# Altium PCB Archimajor.PcbDoc (part 3 of 12) (continued)
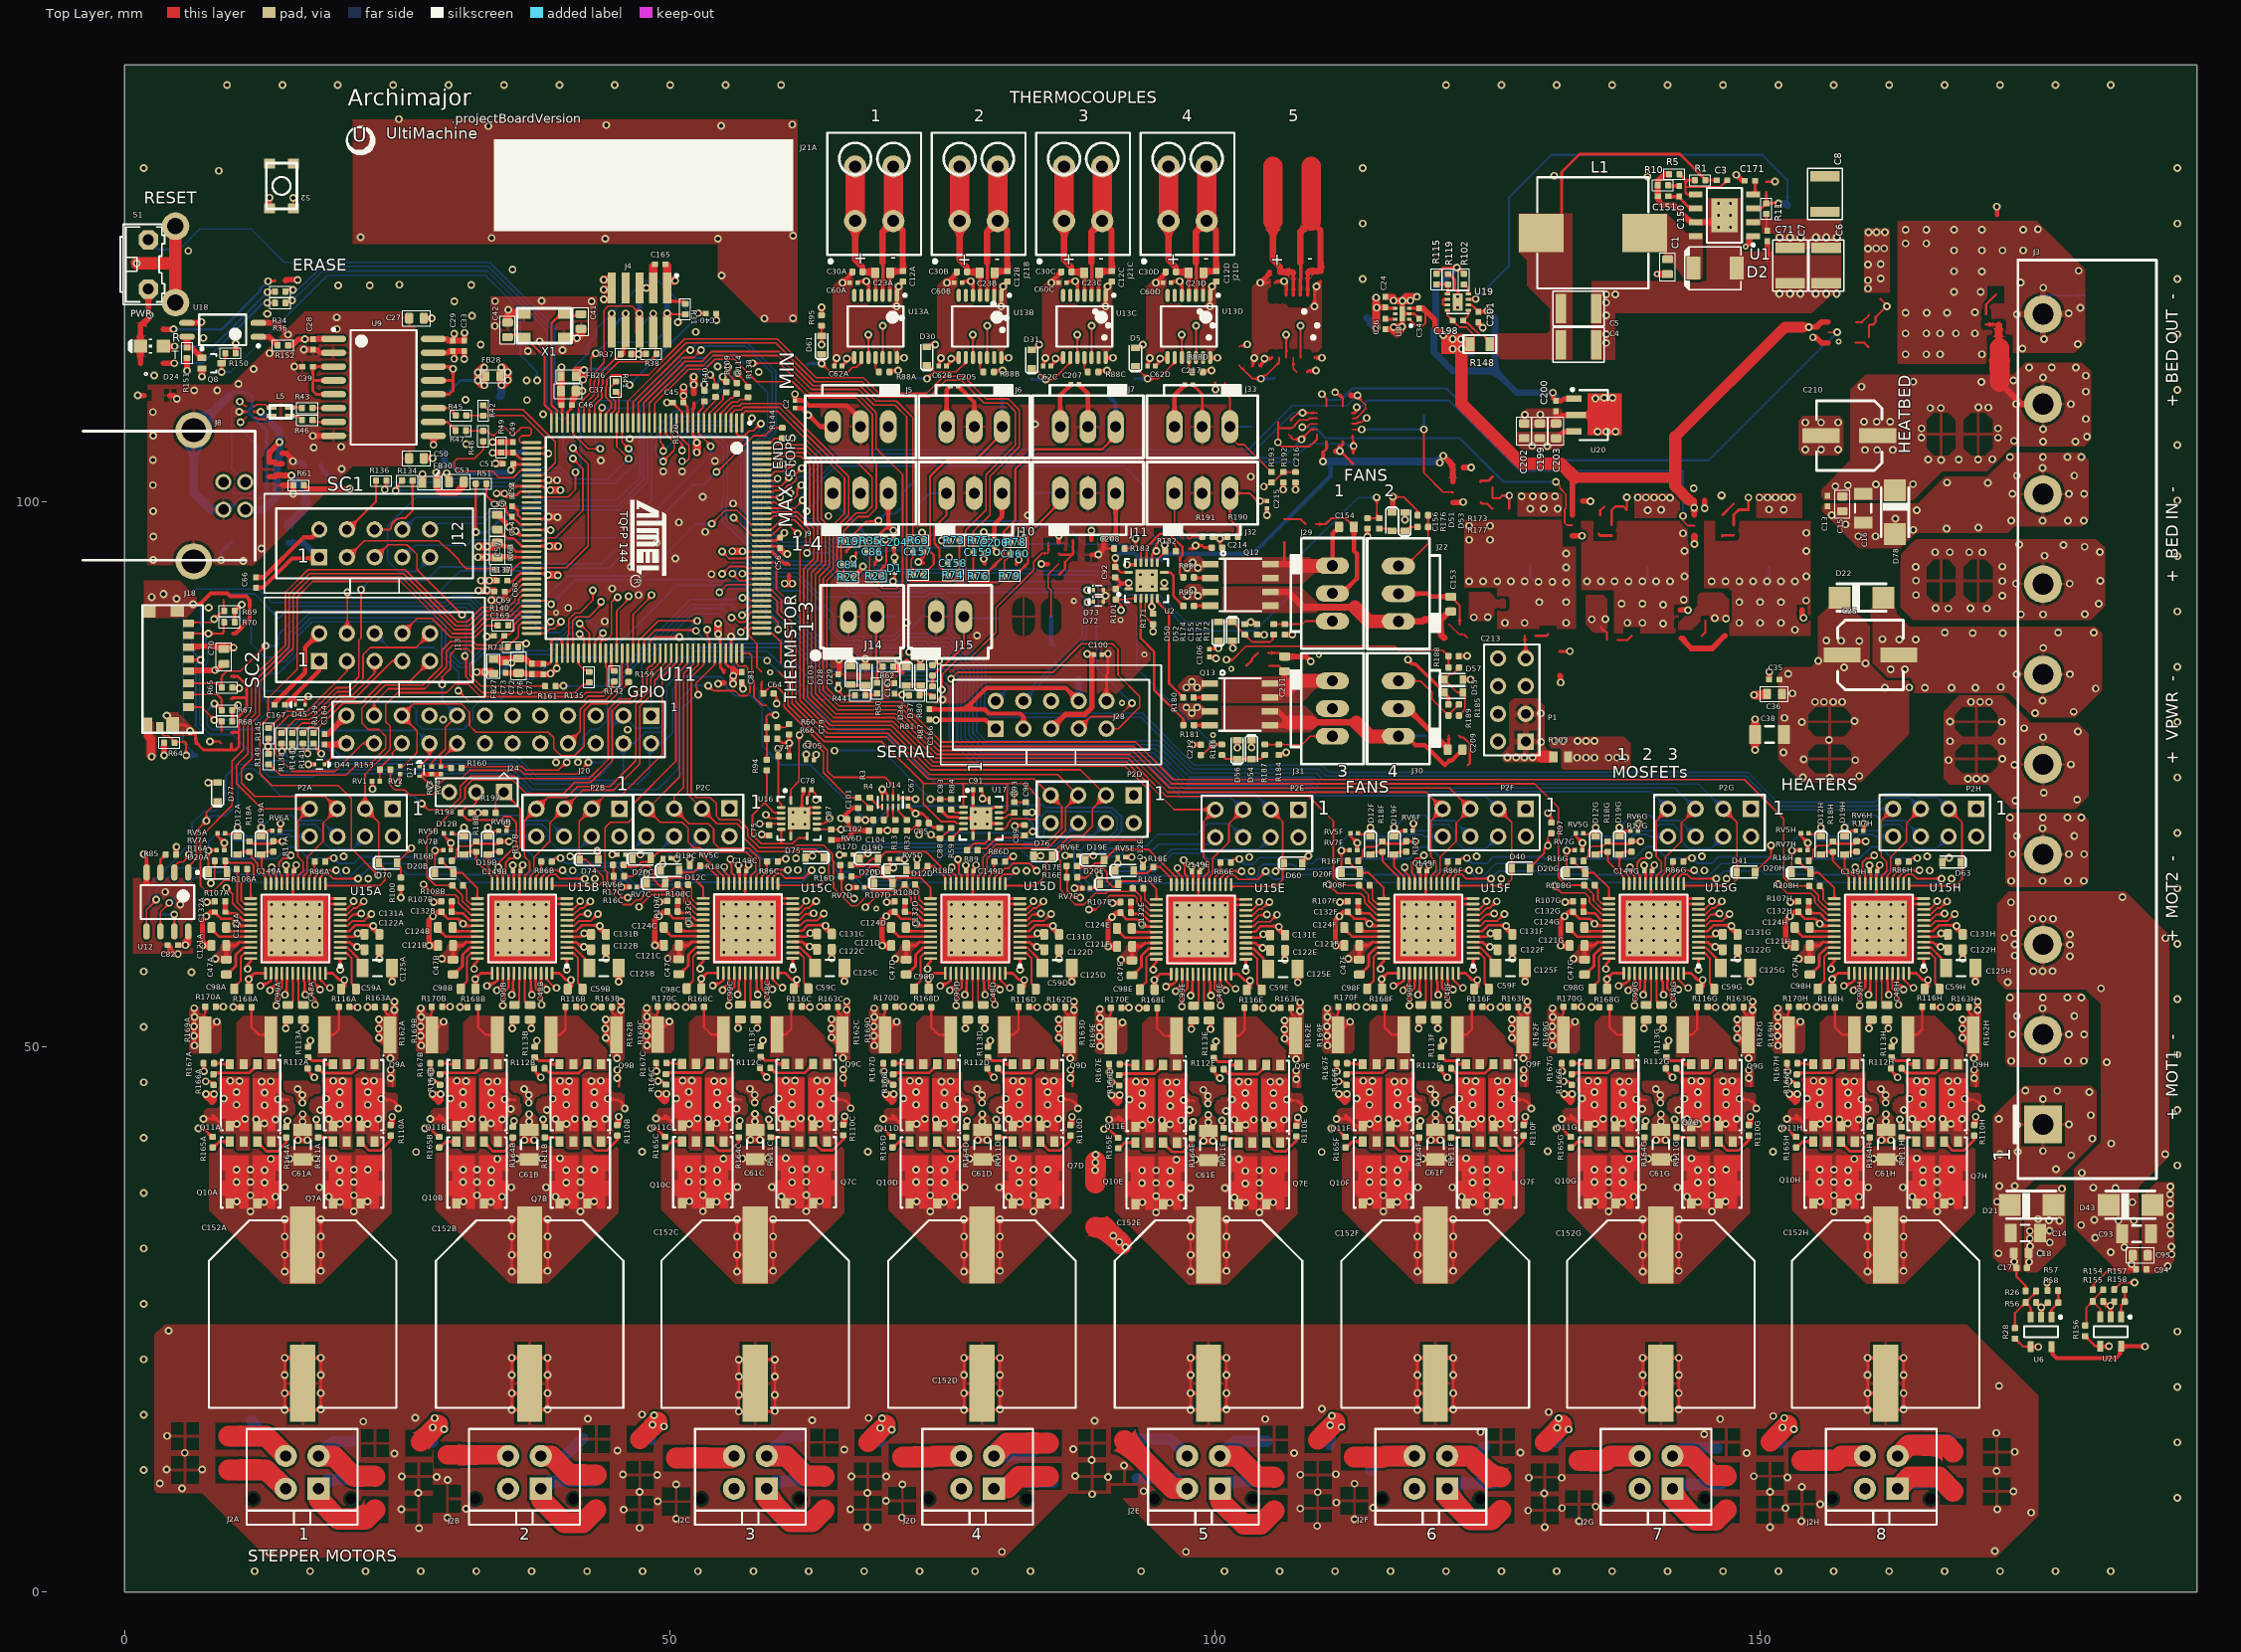
[diagram p0: Top Layer view]
## Nets (pads, with @x,y where several pads share a name; then routed paths per layer and width w, separated by ;. In a path a pad name is that pad's centre, name@x,y a point inside that pad or via, vN(x,y) a via of type N, cw(c..) or ccw(c..) an arc to the next point about the centre after c; other vN are vias at no path point) (continued)
  Top Layer w0.508: R151.2@5.732,113.14 5.737,113.135 v3(5.737,111.976) ; C34.1@118.707,117.705 118.809,117.705 119.078,117.705 120.17,116.613 120.17,115.946 121.225,114.891 v4(121.77,114.891) ; v1(120.918,104.178) 121.767,103.329 121.767,103.115 121.771,103.111 121.788,103.111 121.788,101.818 121.795,101.811 ; 132.75,98.744 132.75,101.95 132.975,102.175 ; 143.426,100.118 143.719,100.118 143.744,100.093 143.91,100.093 143.914,100.089 v1(143.914,99.403) 143.914,98.748 ; v1(154.421,115.977) 155.101,115.977 ; 155.104,115.973 155.574,116.443 156.188,116.443
  Top Layer w0.762: 153.897,115.977 v1(154.421,115.977)
  Top Layer w1: 133.089,102.175 142.167,102.175 ; 142.167,105.917 152.227,115.977
  Top Layer w1.016: 142.129,101.436 142.801,100.763 142.801,100.743 143.426,100.118 ; 152.227,115.977 153.897,115.977
  Top Layer w1.143: v3(122.595,113.991) 122.595,108.967 128.095,103.467 131.569,103.467 ; 131.683,103.467 132.975,102.175 ; 142.167,101.536 142.167,102.487 142.167,105.917
  Mid1 w0.178: 122.12,114.441 v3(122.545,114.866)
  Mid1 w0.203: v1(90.842,94.811) v1@90.842,94.909
  Mid1 w0.381: 10.203,113.651 v3(10.203,114.471)
  Mid1 w0.508: 10.09,113.574 10.096,113.58 10.106,113.59 ; 55.355,74.185 55.473,74.067 P2C.1@55.473,71.834
  Mid1 w0.61: 82.417,75.509 82.417,75.684 J28.3@82.417,79.156 ; J28.8@87.497,81.696 88.73,80.464 88.73,75.501 ; v3(122.595,113.991) 123.035,113.551
  Mid1 w0.66: P2A.1@24.605,71.81 25.975,73.18 25.975,75.87 ; P2B.1@45.38,71.81 45.38,74.14 45.425,74.185 ; P2E.1@107.638,71.734 107.638,73.286 108.937,74.584 ; 118.093,74.584 119.567,73.11 128.5,73.11 ; P2F.1@128.48,71.81 128.5,71.83 128.5,73.11 ; P2H.1@169.78,71.81 168.522,73.068 150.388,73.068 P2G.1@149.13,71.81 147.83,73.11 128.5,73.11
  Mid1 w0.762: v3(5.737,111.976) 5.737,112.017 7.3,113.58 10.096,113.58 10.931,113.58 14.358,117.007 14.358,120.572 15.096,121.31 26.25,121.31 29.175,118.385 29.175,105.645 29.25,105.57 29.25,105.01 30.75,103.51 30.75,94.46 29.217,92.927 19.787,92.927 19.71,92.927
  Mid1 w0.914: v3(121.77,113.991) 121.77,114.777 v4(121.77,114.891) 121.795,114.866 v3(122.545,114.866) 122.595,114.816 v3(122.595,113.991) v3(121.77,113.991)
  Mid1 w1.27: J13.1@17.856,85.357 16.18,87.034 16.18,89.32 19.787,92.927 ; J12.1@17.856,94.781 19.71,92.927
  Mid1 w1.524: v4@121.606,114.941 121.77,114.777 122.12,114.427
  Mid1 w1.626: v4@121.269,115.278 v4@121.483,115.064
  Mid1 w1.727: J13.1@17.856,85.357 11.6,79.101 11.6,76.935 14.075,74.46 18.375,74.46
  Mid1 w1.829: v4@121.483,115.064 v4@121.606,114.941
  Mid1 w2.032: 18.375,74.46 19.785,75.87 25.975,75.87 35.64,75.87 37.325,74.185 45.425,74.185 55.355,74.185 62.417,74.185 62.516,74.284 67.442,74.284 68.843,75.684 82.417,75.684 82.425,75.684
  Mid1 w3.048: 82.417,75.509 82.425,75.501 88.73,75.501 91.925,75.501 92.842,74.584 108.937,74.584 118.093,74.584 120.668,77.159 120.668,103.928 v1(120.918,104.178) 121.77,105.03 v3(121.77,113.991)
  Bottom Layer w0.406: v1(90.842,94.811) 91.301,95.269 92.565,95.269 93.136,94.699 95.257,94.699 95.743,95.184 103.443,95.184 110.568,102.309 110.568,103.659
  Bottom Layer w0.508: 15,96.181 16.456,96.181 J12.1@17.856,94.781 ; J28.8@87.497,81.696 TP4.TP@87.497,83.784 ; v3(122.595,113.991) 122.634,113.952 122.988,113.952 123.389,113.551 TP36.1@123.595,113.551
  Bottom Layer w0.762: v1(109.893,103.659) 110.568,103.659 120.399,103.659 v1(120.918,104.178)
  other v1: 120.602,103.543
  other v4: 120.928,115.253
_DRDYA: U13A.7
_DRDYB: U13B.7
_DRDYC: U13C.7
_DRDYD: U13D.7
_DRDYE: 
_FAULTA: U13A.13
_FAULTB: U13B.13
_FAULTC: U13C.13
_FAULTD: U13D.13
_FAULTE: 
CA1A: C99A.1 U15A.42 | length 3.1
  Top Layer w0.178: C99A.1@14.987,53.83 15.067,53.83 15.432,54.195 U15A.42@15.432,56.735
CA1B: C99B.1 U15B.42 | length 3.1
  Top Layer w0.178: C99B.1@35.762,53.83 35.842,53.83 36.207,54.195 U15B.42@36.207,56.735
CA1C: C99C.1 U15C.42 | length 3.1
  Top Layer w0.178: C99C.1@56.47,53.855 56.55,53.855 56.915,54.22 U15C.42@56.915,56.76
CA1D: C99D.1 U15D.42 | length 3.1
  Top Layer w0.178: C99D.1@77.312,53.83 77.392,53.83 77.757,54.195 U15D.42@77.757,56.735
CA1E: C99E.1 U15E.42 | length 3.1
  Top Layer w0.178: C99E.1@98.02,53.755 98.1,53.755 98.465,54.12 U15E.42@98.465,56.66
CA1F: C99F.1 U15F.42 | length 3.1
  Top Layer w0.178: C99F.1@118.862,53.83 118.942,53.83 119.307,54.195 U15F.42@119.307,56.735
CA1G: C99G.1 U15G.42 | length 3.1
  Top Layer w0.178: C99G.1@139.513,53.83 139.593,53.83 139.958,54.195 U15G.42@139.958,56.735
CA1H: C99H.1 U15H.42 | length 3.1
  Top Layer w0.178: C99H.1@160.163,53.83 160.243,53.83 160.608,54.195 U15H.42@160.608,56.735
CA2A: C98A.1 U15A.35 | length 4.3
  Top Layer w0.178: C98A.1@10.087,55.275 10.087,55.45 10.648,56.011 10.648,58.233 11,58.585 U15A.35@11.582,58.585
CA2B: C98B.1 U15B.35 | length 4.3
  Top Layer w0.178: C98B.1@30.862,55.275 30.862,55.45 31.423,56.011 31.423,58.233 31.775,58.585 U15B.35@32.357,58.585
CA2C: C98C.1 U15C.35 | length 4.3
  Top Layer w0.178: C98C.1@51.57,55.3 51.57,55.475 52.131,56.035 52.131,58.258 52.482,58.61 U15C.35@53.065,58.61
CA2D: C98D.1 U15D.35 | length 4.3
  Top Layer w0.178: C98D.1@72.412,55.275 72.412,55.45 72.973,56.011 72.973,58.233 73.325,58.585 U15D.35@73.907,58.585
CA2E: C98E.1 U15E.35 | length 4.3
  Top Layer w0.178: C98E.1@93.12,55.2 93.12,55.375 93.68,55.935 93.68,58.158 94.032,58.51 U15E.35@94.615,58.51
CA2F: C98F.1 U15F.35 | length 4.3
  Top Layer w0.178: C98F.1@113.962,55.275 113.962,55.45 114.523,56.011 114.523,58.233 114.875,58.585 U15F.35@115.457,58.585
CA2G: C98G.1 U15G.35 | length 4.3
  Top Layer w0.178: C98G.1@134.613,55.275 134.613,55.45 135.173,56.011 135.173,58.233 135.525,58.585 U15G.35@136.108,58.585
CA2H: C98H.1 U15H.35 | length 4.3
  Top Layer w0.178: C98H.1@155.263,55.275 155.263,55.45 155.823,56.011 155.823,58.233 156.175,58.585 U15H.35@156.758,58.585
CB1A: C59A.1 U15A.2 | length 4.2
  Top Layer w0.178: U15A.2@19.782,58.585 20.376,58.585 20.815,58.146 20.815,55.83 21.229,55.417 C59A.1@21.229,55.284
CB1B: C59B.1 U15B.2 | length 4.2
  Top Layer w0.178: U15B.2@40.557,58.585 41.151,58.585 41.59,58.146 41.59,55.83 42.004,55.417 C59B.1@42.004,55.284
CB1C: C59C.1 U15C.2 | length 4.2
  Top Layer w0.178: U15C.2@61.265,58.61 61.859,58.61 62.298,58.17 62.298,55.854 62.711,55.441 C59C.1@62.711,55.308
CB1D: C59D.1 U15D.2 | length 4.2
  Top Layer w0.178: U15D.2@82.107,58.585 82.701,58.585 83.14,58.146 83.14,55.83 83.554,55.417 C59D.1@83.554,55.284
CB1E: C59E.1 U15E.2 | length 4.2
  Top Layer w0.178: U15E.2@102.815,58.51 103.409,58.51 103.848,58.07 103.848,55.754 104.261,55.341 C59E.1@104.261,55.208
CB1F: C59F.1 U15F.2 | length 4.2
  Top Layer w0.178: U15F.2@123.657,58.585 124.251,58.585 124.69,58.146 124.69,55.83 125.104,55.417 C59F.1@125.104,55.284
CB1G: C59G.1 U15G.2 | length 4.2
  Top Layer w0.178: U15G.2@144.308,58.585 144.901,58.585 145.34,58.146 145.34,55.83 145.754,55.417 C59G.1@145.754,55.284
CB1H: C59H.1 U15H.2 | length 4.2
  Top Layer w0.178: U15H.2@164.958,58.585 165.551,58.585 165.991,58.146 165.991,55.83 166.404,55.417 C59H.1@166.404,55.284
CB2A: C48A.1 U15A.43 | length 3.2
  Top Layer w0.178: U15A.43@15.932,56.735 15.932,54.155 16.282,53.805 C48A.1@16.412,53.805
CB2B: C48B.1 U15B.43 | length 3.2
  Top Layer w0.178: U15B.43@36.707,56.735 36.707,54.155 37.057,53.805 C48B.1@37.187,53.805
CB2C: C48C.1 U15C.43 | length 3.2
  Top Layer w0.178: U15C.43@57.415,56.76 57.415,54.18 57.765,53.83 C48C.1@57.895,53.83
CB2D: C48D.1 U15D.43 | length 3.2
  Top Layer w0.178: U15D.43@78.257,56.735 78.257,54.155 78.607,53.805 C48D.1@78.737,53.805
CB2E: C48E.1 U15E.43 | length 3.2
  Top Layer w0.178: U15E.43@98.965,56.66 98.965,54.08 99.315,53.73 C48E.1@99.445,53.73
CB2F: C48F.1 U15F.43 | length 3.2
  Top Layer w0.178: U15F.43@119.807,56.735 119.807,54.155 120.157,53.805 C48F.1@120.287,53.805
CB2G: C48G.1 U15G.43 | length 3.2
  Top Layer w0.178: U15G.43@140.458,56.735 140.458,54.155 140.808,53.805 C48G.1@140.938,53.805
CB2H: C48H.1 U15H.43 | length 3.2
  Top Layer w0.178: U15H.43@161.108,56.735 161.108,54.155 161.458,53.805 C48H.1@161.588,53.805
CS_M1BUS: D70.A D74.A D75.A D76.A D77.A R100.2 U16.4 | length 101.3
  Top Layer w0.165: R100.2@25.343,65.517 25.343,66.439 25.193,66.589 25.171,66.589 25,66.761 D70.A@25,66.861 25,66.961 25.217,67.178 25.317,67.178 v1@26.348,68.209 ; v1(58.816,71.259) 58.868,71.259 59.193,70.934 U16.4@60.212,70.934 ; D76.A@83.293,67.409 83.394,67.51 v1(84,67.51)
  Top Layer w0.257: v1(7.668,74.209) D77.A@8.543,74.209 ; v1(26.293,68.209) v1@26.348,68.209 ; v1(43.365,67.959) 43.446,67.879 D74.A@43.446,67.154 ; D75.A@62.442,67.334 62.593,67.484 v1(63.066,67.484)
  Mid1 w0.257: v1(7.668,74.209) 10.618,71.259 15.143,71.259 15.793,70.609 25.393,70.609 26.293,69.709 v1(26.293,68.209) 27.468,69.384 34.543,69.384 34.768,69.609 35.818,69.609 36.668,70.459 44.043,70.459 ; v1(43.365,67.959) 43.365,68.082 44.043,68.759 44.043,70.459 ; v1(63.066,67.484) 62.575,67.975 58.679,67.975 56.918,69.736 56.918,70.459 ; v1@83.993,67.459 83.942,67.51 82.377,67.51 81.683,68.204 78.914,68.204 78.799,68.319 69.755,68.319 69.04,69.034 61.093,69.034 58.868,71.259 v1(58.816,71.259) 57.768,71.259 57.743,71.284 56.918,70.459 ; 44.043,70.459 56.918,70.459
CS_M2BUS: D40.A D41.A D60.A D63.A R97.2 U16.10 | length 127.4
  Top Layer w0.165: U16.10@63.474,70.434 64.143,70.434 v1(64.643,70.934)
  Top Layer w0.166: D40.A@128.883,66.355 128.883,66.455 129.054,66.627 129.061,66.627 130.168,67.734 130.168,68.084 v1(130.518,68.434) 130.518,69.277 130.596,69.355 130.596,69.365 130.808,69.577 R97.2@130.818,69.577 ; D41.A@149.506,66.005 149.506,66.105 149.723,66.321 149.823,66.321 150.968,67.466 v1(150.968,68.459)
  Top Layer w0.257: D60.A@107.99,66.828 108.162,67 108.162,67.103 v1(108.568,67.509) ; D63.A@166.668,66.91 166.668,67.01 166.84,67.182 166.94,67.182 166.994,67.236 167.199,67.236 v1(167.286,67.323)
  Mid1 w0.257: v1(64.643,70.934) 65.756,72.048 74.23,72.048 76.656,69.622 79.339,69.622 79.387,69.574 81.913,69.574 82.949,70.609 83.318,70.609 84.443,71.734 97.543,71.734 98.818,70.459 109.168,70.459 ; v1(108.568,67.509) 109.168,68.109 109.168,70.459 ; v1(130.518,68.434) 130.518,70.534 130.493,70.559 ; v1(150.968,68.459) 150.968,70.534 150.943,70.559 ; v1(167.286,67.323) 165.939,68.67 165.939,70.057 165.437,70.559 161.043,70.559 160.268,71.334 154.418,71.334 153.643,70.559 150.943,70.559 ; 109.168,70.459 113.018,70.459 113.793,71.234 119.243,71.234 119.918,70.559 130.493,70.559 ; 130.493,70.559 132.443,70.559 133.268,71.384 139.443,71.384 140.268,70.559 150.943,70.559
CS_TCBUS: D5.A D30.A D31.A D61.A R95.2 U16.1 | length 135.5
  Top Layer w0.165: U16.1@61.093,72.565 61.093,73.584 61.85,74.341 61.85,78.541 v1(61.893,78.584)
  Top Layer w0.166: v1(63.915,114.384) D61.A@63.915,115.184 R95.2@63.915,116.102 ; D30.A@73.565,114.185 73.765,114.385 v1(74.34,114.385) ; D31.A@83.19,113.884 83.365,113.884 v1(83.865,114.384) ; D5.A@92.69,114.084 93.068,114.084 v1(93.368,114.384) ; 102.215,114.159 102.313,114.258 102.798,114.258 v1(102.937,114.396)
  Mid1 w0.166: v1(74.34,114.385) v1@74.39,114.435
  Mid1 w0.257: v1(61.893,78.584) 61.893,78.784 63.668,80.559 71.218,80.559 75.071,84.412 77.996,84.412 78.868,85.284 96.193,85.284 116.386,105.477 116.386,108.725 110.726,114.384 102.937,114.384 93.54,114.384 v1(93.368,114.384) v1(83.865,114.384) 74.365,114.384 v1@63.765,114.384
DIAG1: R108A.2 U11.63 U15A.27 | length 65.7
  Top Layer w0.152: R108A.2@10.29,66.276 10.347,66.219 10.347,65.201 ; U15A.27@11.582,62.585 10.964,62.585 10.703,62.846 10.703,62.879 10.347,63.235 10.347,65.201 ; U11.63@37.329,92.388 36.476,92.388 35.438,91.35 35.438,91.039 34.687,90.287 32.743,90.287 31.42,88.964 30.51,88.964 25.735,93.739 16.825,93.739 14.757,91.672 14.757,86.82 11.648,83.711 11.648,80.72 10.912,79.984 10.912,77.222 9.875,76.185 9.875,72.135 6.96,69.22 6.96,64.764 7.423,64.301 8.2,64.301 9.134,65.235 10.313,65.235 10.347,65.201
DIAG2: R108B.2 U11.93 U15B.27 | length 43.7
  Top Layer w0.152: U15B.27@32.357,62.585 31.739,62.585 30.979,63.346 30.979,63.863 30.294,64.547 30.288,64.547 30.065,64.77 R108B.2@30.065,64.776 28.523,64.776 27.735,65.564 27.735,69.264 31.221,72.75 31.221,73.781 31.9,74.46 35.6,74.46 36.825,73.235 40.275,73.235 41.272,74.232 42.747,74.232 44.716,76.201 44.716,80.78 45.471,81.535 46.494,81.535 47.881,82.922 47.881,83.863 48.273,84.256 48.273,84.52 48.306,84.553 48.444,84.553 49.033,85.142 49.033,85.19 49.129,85.286 U11.93@49.129,86.088
DIAG3: R108C.2 U11.97 U15C.27 | length 37
  Top Layer w0.152: R108C.2@50.715,64.851 R108C.2@50.715,64.845 ; U11.97@51.129,86.088 51.129,85.286 51.033,85.19 51.033,85.13 50.55,84.647 50.55,76.171 46.562,72.183 46.562,70.958 46.194,70.59 44.561,70.59 44.055,70.084 44.055,66.196 44.26,65.991 44.26,64.495 45.729,63.026 46.475,63.026 46.91,63.461 47.305,63.461 48.144,64.3 50.164,64.3 50.487,64.622 50.493,64.622 R108C.2@50.715,64.845 ; U15C.27@53.065,62.61 52.447,62.61 51.64,63.416 51.64,63.926 50.944,64.622 50.938,64.622 R108C.2@50.715,64.845
DIAG4: R108D.2 U11.101 U15D.27 | length 44.5
  Top Layer w0.152: U11.101@53.129,86.088 53.11,86.069 53.11,85.04 51.972,83.902 51.972,73.33 52.438,72.864 53.688,72.864 54.268,72.284 54.268,71.144 54.607,70.805 56.325,70.805 57.143,69.987 57.143,69.32 58.213,68.25 61.413,68.25 61.638,68.475 64.104,68.475 64.898,67.681 64.898,67.676 64.9,67.674 64.9,67.07 65.004,66.966 65.004,64.569 66.648,62.926 67.152,62.926 68.481,64.254 68.747,64.254 68.768,64.275 70.915,64.275 71.287,64.647 71.293,64.647 R108D.2@71.515,64.87 ; R108D.2@71.515,64.876 R108D.2@71.515,64.87 ; U15D.27@73.907,62.585 73.289,62.585 72.482,63.392 72.482,63.909 71.744,64.647 71.738,64.647 R108D.2@71.515,64.87
DIAG5: R108E.2 U11.131 U15E.27 | length 84.2
  Top Layer w0.152: U11.131@58.429,98.888 59.276,98.888 59.398,99.009 61.718,99.009 63.201,97.526 63.201,94.745 62.275,93.82 62.275,81.908 64.727,79.457 70.314,79.457 74.033,75.738 91.74,75.738 94.018,73.46 94.018,69.734 93.243,68.959 86.805,68.959 85.628,67.782 85.628,67.256 85.814,67.07 85.814,64.392 87.179,63.026 87.96,63.026 88.994,64.06 89.969,64.06 90.135,64.226 92.147,64.226 R108E.2@92.44,64.52 ; R108E.2@92.44,64.526 R108E.2@92.44,64.52 ; U15E.27@94.615,62.51 93.997,62.51 93.19,63.316 93.19,63.776 92.669,64.297 92.663,64.297 R108E.2@92.44,64.52
DIAG6: R108F.2 U11.142 U15F.27 | length 91.7
  Top Layer w0.152: U11.142@58.429,104.388 58.448,104.406 59.386,104.406 59.818,104.838 62.317,104.838 63.551,103.605 63.551,98.25 63.912,97.889 63.912,94.4 62.987,93.474 62.987,82.217 62.995,82.217 65.044,80.168 70.608,80.168 74.328,76.449 92.034,76.449 95.524,72.959 108.568,72.959 110.835,70.693 110.835,65.489 111.529,64.795 R108F.2@113.19,64.795 ; R108F.2@113.19,64.801 R108F.2@113.19,64.795 ; U15F.27@115.457,62.585 114.839,62.585 114.048,63.376 114.048,63.943 113.419,64.572 113.413,64.572 R108F.2@113.19,64.795
DIAG7: R108G.2 U11.3 U15G.27 | length 119.5
  Top Layer w0.152: U11.3@55.629,107.188 55.629,108.034 55.979,108.385 56.518,108.385 56.744,108.611 56.784,108.611 56.797,108.624 60.04,108.624 62.486,106.178 62.493,106.178 66.396,102.275 66.396,98.769 64.979,97.352 64.979,93.85 64.053,92.925 64.053,82.701 65.519,81.235 71.05,81.235 74.75,77.535 92.544,77.535 95.969,74.109 129.293,74.109 131.485,71.917 131.485,65.501 132.185,64.801 R108G.2@133.84,64.801 133.84,64.795 134.063,64.572 134.069,64.572 134.683,63.959 134.683,63.392 135.489,62.585 U15G.27@136.108,62.585
DIAG8: R108H.2 U11.4 U15H.27 | length 143.2
  Top Layer w0.152: U11.4@55.129,107.188 55.129,108.037 55.832,108.74 56.365,108.74 56.591,108.966 56.636,108.966 56.65,108.979 60.194,108.979 65.535,103.638 67.139,103.638 68.555,102.223 68.555,99.531 67.97,98.946 67.076,98.946 65.335,97.205 65.335,93.667 64.409,92.741 64.409,82.895 65.694,81.61 71.2,81.61 74.875,77.935 92.709,77.935 96.135,74.509 148.518,74.509 152.135,70.892 152.135,65.526 152.929,64.732 154.465,64.732 R108H.2@154.465,64.726 154.465,64.72 154.688,64.497 154.694,64.497 155.333,63.859 155.333,63.392 156.139,62.585 U15H.27@156.758,62.585
DIR1: P2A.7 U11.64 U15A.18 | length 61.3
  Top Layer w0.152: U15A.18@15.932,64.935 15.932,65.645 16.381,66.094 16.381,66.954 15.9,67.435 15.9,70.725 P2A.7@16.985,71.81 12.594,71.81 10.275,74.129 10.275,75.835 11.312,76.872 11.312,79.855 12.004,80.546 12.004,83.564 15.113,86.673 15.113,91.524 16.972,93.384 25.588,93.384 30.376,88.595 31.584,88.595 32.921,89.932 34.839,89.932 35.794,90.887 35.794,91.202 36.479,91.888 U11.64@37.329,91.888
DIR2: P2B.7 U11.94 U15B.18 | length 29.6
  Top Layer w0.152: U15B.18@36.707,64.935 36.707,65.645 37.156,66.094 37.156,66.954 36.675,67.435 36.675,70.725 P2B.7@37.76,71.81 38.81,72.86 40.55,72.86 41.556,73.866 44.506,73.866 46.881,76.241 46.881,81.383 48.25,82.752 48.25,83.729 48.629,84.108 48.629,84.235 49.533,85.139 49.533,85.19 49.629,85.286 U11.94@49.629,86.088
DIR3: P2C.7 U11.98 U15C.18 | length 30.9
  Top Layer w0.152: U11.98@51.629,86.088 51.629,85.139 50.906,84.416 50.906,74.731 48.009,71.834 P2C.7@47.853,71.834 49.118,70.569 51.138,70.569 51.663,70.044 51.663,68.769 52.167,68.265 52.79,68.265 53.211,67.844 56.998,67.844 57.863,66.979 57.863,66.118 57.415,65.67 U15C.18@57.415,64.96
DIR4: P2D.7 U11.116 U15D.18 | length 53.2
  Top Layer w0.152: U11.116@58.429,91.388 59.231,91.388 59.327,91.292 59.407,91.292 59.866,90.833 59.866,89.722 60.795,88.792 60.795,87.081 61.209,86.668 61.209,81.466 64.285,78.39 69.872,78.39 73.712,74.55 83.412,74.55 P2D.7@84.913,73.049 85.942,72.02 85.942,70.034 84.458,68.55 79.896,68.55 78.706,67.359 78.706,66.094 78.257,65.645 U15D.18@78.257,64.935
DIR5: P2E.7 U11.141 U15E.18 | length 76.7
  Top Layer w0.152: U11.141@58.429,103.888 58.448,103.906 59.389,103.906 59.965,104.483 62.17,104.483 63.195,103.458 63.195,98.103 63.557,97.741 63.557,94.598 62.631,93.673 62.631,82.056 64.874,79.813 70.461,79.813 74.18,76.093 91.887,76.093 96.246,71.734 P2E.7@100.018,71.734 98.933,70.649 98.933,67.359 99.413,66.879 99.413,66.018 98.965,65.57 U15E.18@98.965,64.86
DIR6: P2F.7 U11.143 U15F.18 | length 97.7
  Top Layer w0.152: U11.143@58.429,104.888 58.448,104.906 59.383,104.906 59.671,105.194 62.465,105.194 63.906,103.752 63.906,98.398 64.268,98.036 64.268,94.217 63.342,93.291 63.342,82.373 65.191,80.524 70.755,80.524 74.475,76.804 92.182,76.804 95.652,73.334 119.336,73.334 P2F.7@120.86,71.81 119.775,70.725 119.775,67.435 120.256,66.954 120.256,66.094 119.807,65.645 U15F.18@119.807,64.935
DIR7: P2G.7 U11.121 U15G.18 | length 112.8
  Top Layer w0.152: v1(54.79,93.341) 55.48,94.031 56.887,94.031 57.031,93.888 U11.121@58.429,93.888 ; U15G.18@140.458,64.935 140.458,65.645 140.906,66.094 140.906,66.954 140.425,67.435 140.425,70.725 P2G.7@141.51,71.81
  Bottom Layer w0.152: v1(54.79,93.341) v1(54.79,93.341) 55.834,94.384 57.146,94.384 57.654,93.876 57.654,93.87 59.123,92.401 59.123,91.603 64.226,86.5 67.122,86.5 67.427,86.196 71.072,86.196 71.69,86.814 73.286,86.814 73.725,86.375 75.078,86.375 77.15,84.303 77.15,83.171 77.07,83.091 77.07,78.358 78.473,76.954 94.357,76.954 97.332,73.979 108.801,73.979 109.404,73.376 139.944,73.376 P2G.7@141.51,71.81
DIR8: P2H.7 U11.14 U15H.18 | length 146.9
  Top Layer w0.152: U11.14@50.129,107.188 50.129,106.215 51.127,105.218 v1(51.127,104.674) ; U15H.18@161.108,64.935 161.108,65.645 161.556,66.094 161.556,66.954 161.075,67.435 161.075,70.725 P2H.7@162.16,71.81
  Bottom Layer w0.152: v1(51.127,104.674) 51.127,105.776 51.941,106.59 53.84,106.59 55.273,105.157 55.273,100.188 55.158,100.072 55.158,98.296 55.58,97.874 55.661,97.874 57.973,95.562 57.973,95.065 58.721,94.318 58.721,94.312 59.926,93.107 61.546,93.107 65,89.652 65,88.429 65.811,87.618 67.675,87.618 68.031,87.262 70.63,87.262 71.249,87.881 73.728,87.881 74.167,87.442 75.571,87.442 78.217,84.797 78.217,82.729 78.136,82.649 78.136,78.891 78.968,78.059 94.815,78.059 97.79,75.084 109.259,75.084 109.901,74.443 148.51,74.443 151.243,71.709 160.868,71.709 160.968,71.81 P2H.7@162.16,71.81
DM: J8.2 L5.3 TP5.1 | length 10.9
  Top Layer w0.152: v1@10.547,109.133 10.631,109.133 11.052,108.713 11.169,108.713 ; 11.843,108.713 11.965,108.713 12.138,108.886 12.915,108.886 13.189,108.613 L5.3@13.476,108.613
  Bottom Layer w0.152: v1@10.535,109.184 9.804,108.453 9.804,103.041 J8.2@11.074,101.771 J8.2@11.08,101.771
  other v1: 10.566,109.152
DRV_EN: U11.67 U15A.28 U15B.28 U15C.28 U15D.28 U15E.28 U15F.28 U15G.28 U15H.28 | length 265.5
  Top Layer w0.152: v1(9.348,64.551) 9.898,64.001 9.898,63.148 10.961,62.085 U15A.28@11.582,62.085 ; v1(23.268,65.709) 20.793,68.184 20.793,72.759 19.593,73.959 13.518,73.959 12.418,75.059 12.418,79.411 13.172,80.165 13.172,81.945 15.824,84.597 15.824,91.23 17.267,92.673 25.293,92.673 30.082,87.884 31.972,87.884 33.308,89.221 35.171,89.221 36.338,90.388 U11.67@37.329,90.388 ; v1(27.423,64.876) 28.379,63.92 30.348,63.92 30.623,63.644 30.623,63.198 31.736,62.085 U15B.28@32.357,62.085 ; v1(47.173,62.826) 48.291,63.944 51.056,63.944 51.285,63.715 51.285,63.269 52.444,62.11 U15C.28@53.065,62.11 ; v1(67.923,62.776) 69.067,63.92 71.898,63.92 72.127,63.691 72.127,63.245 73.286,62.085 U15D.28@73.907,62.085 ; v1(88.423,62.576) 89.048,62.576 90.316,63.844 92.619,63.844 92.835,63.629 92.835,63.169 93.994,62.01 U15E.28@94.615,62.01 ; v1(110.398,64.876) 111.223,64.051 113.316,64.051 113.677,63.691 113.677,63.245 114.836,62.085 U15F.28@115.457,62.085 ; v1(131.098,64.751) 131.748,64.101 133.917,64.101 134.327,63.691 134.327,63.245 135.486,62.085 U15G.28@136.108,62.085 ; v1(151.623,64.901) 152.473,64.051 154.617,64.051 154.977,63.691 154.977,63.245 156.136,62.085 U15H.28@156.758,62.085
  Mid1 w0.152: v1(9.348,64.551) 10.107,65.31 18.225,65.31 18.437,65.098 20.875,65.098 21.172,64.8 22.743,64.8 23.199,65.257 23.199,65.641 v1(23.268,65.709) 25.848,65.709 26.681,64.876 v1(27.423,64.876) 27.857,65.31 39,65.31 39.212,65.098 41.65,65.098 41.947,64.8 44.862,64.8 45.305,65.244 45.873,65.244 47.173,63.944 ; v1(47.173,62.826) 47.173,63.944 ; 62.722,64.8 65.74,64.8 65.79,64.85 65.79,64.863 66.147,65.22 66.715,65.22 67.923,64.012 ; 64,64.825 52.058,64.825 51.782,64.548 47.777,64.548 47.173,63.944 ; v1(67.923,62.776) 67.923,64.012 ; v1(88.423,62.576) 88.423,64.448 ; v1(151.623,64.901) 149.855,64.901 149.755,64.8 145.698,64.8 145.4,65.098 142.962,65.098 142.75,65.31 131.657,65.31 v1(131.098,64.751) 129.154,64.751 129.104,64.8 125.047,64.8 124.75,65.098 122.312,65.098 122.1,65.31 110.832,65.31 v1(110.398,64.876) 109.773,64.876 109.622,64.725 93.667,64.725 93.391,64.448 88.423,64.448 ; 67.923,64.012 68.488,64.577 72.677,64.577 72.9,64.8 86.512,64.8 86.855,65.144 87.423,65.144 88.119,64.448 88.423,64.448
ENCAA: D12A.K P2A.4 RV5A.1 | length 16.4
  Top Layer w0.152: RV5A.1@9.225,69.56 9.3,69.485 10.178,69.485 D12A.K@10.362,69.3 v1(10.362,70.085)
  Bottom Layer w0.152: v1(10.362,70.085) 11.187,69.26 13.175,69.26 13.728,69.813 15.628,69.813 16.194,70.379 17.481,70.379 18.175,69.685 18.175,68.86 18.9,68.135 20.93,68.135 P2A.4@22.065,69.27
ENCAB: D12B.K P2B.4 RV5B.1 | length 16.4
  Top Layer w0.152: RV5B.1@30,69.56 30.075,69.485 30.953,69.485 D12B.K@31.137,69.3 v1(31.137,70.085)
  Bottom Layer w0.152: v1(31.137,70.085) 31.962,69.26 33.95,69.26 34.503,69.813 36.403,69.813 36.969,70.379 38.256,70.379 38.95,69.685 38.95,68.86 39.675,68.135 41.705,68.135 P2B.4@42.84,69.27
ENCAC: D12C.K P2C.4 RV5C.1 | length 6.4
  Top Layer w0.152: D12C.K@49.133,66.059 49.133,66.159 49.358,66.384 49.336,66.406 49.423,66.493 49.35,66.566 49.35,66.723 49.35,66.953 49.423,67.026 49.336,67.113 RV5C.1@49.358,67.134
  Bottom Layer w0.152: v1@49.35,66.723 49.374,66.723 49.423,66.674 49.394,66.645 49.394,67.101 50.238,67.944 51.583,67.944 P2C.4@52.933,69.294
  other v1: 49.35,66.773
ENCAD: D12D.K P2D.4 RV5D.1 | length 24.1
  Top Layer w0.152: RV5D.1@70.2,67.11 70.2,66.703 70.198,66.701 v1@70.389,66.51 ; v1(70.501,66.397) v1@70.501,66.481
  Top Layer w0.559: D12D.K@69.973,66.201 69.973,66.301 69.994,66.322 70.094,66.322 70.14,66.368 70.472,66.368 v1(70.501,66.397)
  Bottom Layer w0.152: v1(70.501,66.397) 70.501,67.048 70.502,67.047 71.375,67.92 75.022,67.92 75.292,68.19 82.1,68.19 83.415,66.875 84.484,66.875 87.043,69.434 88.918,69.434 P2D.4@89.993,70.509
ENCAE: D12E.K P2E.4 RV5E.1 | length 16.6
  Top Layer w0.152: D12E.K@90.823,66.151 90.823,66.251 91.048,66.476 91.026,66.498 91.077,66.548 v1(91.077,66.823) 91.077,67.35 RV5E.1@91.051,67.376
  Bottom Layer w0.152: v1(91.077,66.823) 91.415,66.484 94.37,66.484 96,68.114 104.017,68.114 P2E.4@105.098,69.194
ENCAF: D12F.K P2F.4 RV5F.1 | length 16.4
  Top Layer w0.152: RV5F.1@113.1,69.56 113.175,69.485 114.053,69.485 D12F.K@114.237,69.3 v1(114.237,70.085)
  Bottom Layer w0.152: v1(114.237,70.085) 115.062,69.26 117.05,69.26 117.603,69.813 119.503,69.813 120.069,70.379 121.356,70.379 122.05,69.685 122.05,68.86 122.775,68.135 124.805,68.135 P2F.4@125.94,69.27
ENCAG: D12G.K P2G.4 RV5G.1 | length 16.4
  Top Layer w0.152: RV5G.1@133.75,69.56 133.825,69.485 134.703,69.485 D12G.K@134.888,69.3 v1(134.888,70.085)
  Bottom Layer w0.152: v1(134.888,70.085) 135.713,69.26 137.7,69.26 138.253,69.813 140.153,69.813 140.72,70.379 142.006,70.379 142.7,69.685 142.7,68.86 143.425,68.135 145.455,68.135 P2G.4@146.59,69.27
ENCAH: D12H.K P2H.4 RV5H.1 | length 16.4
  Top Layer w0.152: RV5H.1@154.4,69.56 154.475,69.485 155.353,69.485 D12H.K@155.538,69.3 v1(155.538,70.085)
  Bottom Layer w0.152: v1(155.538,70.085) 156.363,69.26 158.35,69.26 158.903,69.813 160.803,69.813 161.37,70.379 162.656,70.379 163.35,69.685 163.35,68.86 164.075,68.135 166.105,68.135 P2H.4@167.24,69.27
ENCBA: D19A.K P2A.6 RV6A.1 | length 10.3
  Top Layer w0.152: D19A.K@12.537,69.3 v1(12.537,70.085)
  Top Layer w0.178: D19A.K@12.537,69.3 12.615,69.3 13.1,69.785 RV6A.1@13.55,69.785
  Bottom Layer w0.152: v1(12.537,70.085) 13.662,71.21 15.375,71.21 15.85,70.735 18.06,70.735 P2A.6@19.525,69.27
ENCBB: D19B.K P2B.6 RV6B.1 | length 10.3
  Top Layer w0.152: D19B.K@33.312,69.3 v1(33.312,70.085)
  Top Layer w0.178: D19B.K@33.312,69.3 33.39,69.3 33.875,69.785 RV6B.1@34.325,69.785
  Bottom Layer w0.152: v1(33.312,70.085) 34.437,71.21 36.15,71.21 36.625,70.735 38.835,70.735 P2B.6@40.3,69.27
ENCBC: D19C.K P2C.6 RV6C.1 | length 5.5
  Top Layer w0.152: RV6C.1@45.908,67.634 45.982,67.56 46.257,67.56 46.259,67.558 46.359,67.558 D19C.K@46.583,67.334 ; D19C.K@46.568,67.219 46.568,67.319 46.792,67.543 46.842,67.543 46.893,67.594 47.268,67.594 v1(47.293,67.619)
  Bottom Layer w0.152: v1(47.293,67.619) 48.718,67.619 P2C.6@50.393,69.294
ENCBD: D19D.K P2D.6 RV6D.1 | length 22.5
  Top Layer w0.152: RV6D.1@66.75,67.61 66.824,67.536 67.099,67.536 67.101,67.534 67.201,67.534 D19D.K@67.425,67.31 ; D19D.K@67.41,67.195 D19D.K@67.41,67.245 67.41,67.295 D19D.K@67.425,67.31 ; v1(68.148,67.726) 68.148,67.608 68.089,67.667 67.848,67.426 67.541,67.426 D19D.K@67.425,67.31
  Bottom Layer w0.152: v1(68.148,67.726) 68.698,68.276 74.875,68.276 75.145,68.545 82.248,68.545 82.419,68.374 85.318,68.374 P2D.6@87.453,70.509
ENCBE: D19E.K P2E.6 RV6E.1 | length 17.2
  Top Layer w0.152: RV6E.1@87.458,67.534 87.532,67.46 87.807,67.46 87.809,67.458 87.909,67.458 D19E.K@88.133,67.234 ; D19E.K@88.118,67.119 88.118,67.219 D19E.K@88.133,67.234 ; v1(88.843,67.519) 88.818,67.494 88.443,67.494 88.392,67.443 88.342,67.443 D19E.K@88.133,67.234
  Bottom Layer w0.152: v1(88.843,67.519) 88.994,67.519 89.288,67.813 91.01,67.813 91.581,68.384 93.668,68.384 94.743,69.459 98.318,69.459 99.293,70.434 101.318,70.434 P2E.6@102.558,69.194
ENCBF: D19F.K P2F.6 RV6F.1 | length 10.3
  Top Layer w0.152: D19F.K@116.412,69.3 v1(116.412,70.085)
  Top Layer w0.178: D19F.K@116.412,69.3 116.49,69.3 116.975,69.785 RV6F.1@117.425,69.785
  Bottom Layer w0.152: v1(116.412,70.085) 117.537,71.21 119.25,71.21 119.725,70.735 121.935,70.735 P2F.6@123.4,69.27
ENCBG: D19G.K P2G.6 RV6G.1 | length 10.3
  Top Layer w0.152: D19G.K@137.063,69.3 v1(137.063,70.085)
  Top Layer w0.178: D19G.K@137.063,69.3 137.141,69.3 137.625,69.785 RV6G.1@138.075,69.785
  Bottom Layer w0.152: v1(137.063,70.085) 138.188,71.21 139.9,71.21 140.375,70.735 142.585,70.735 P2G.6@144.05,69.27